# Altium PCB smallLCboard.PcbDoc (part 3 of 4) (continued)
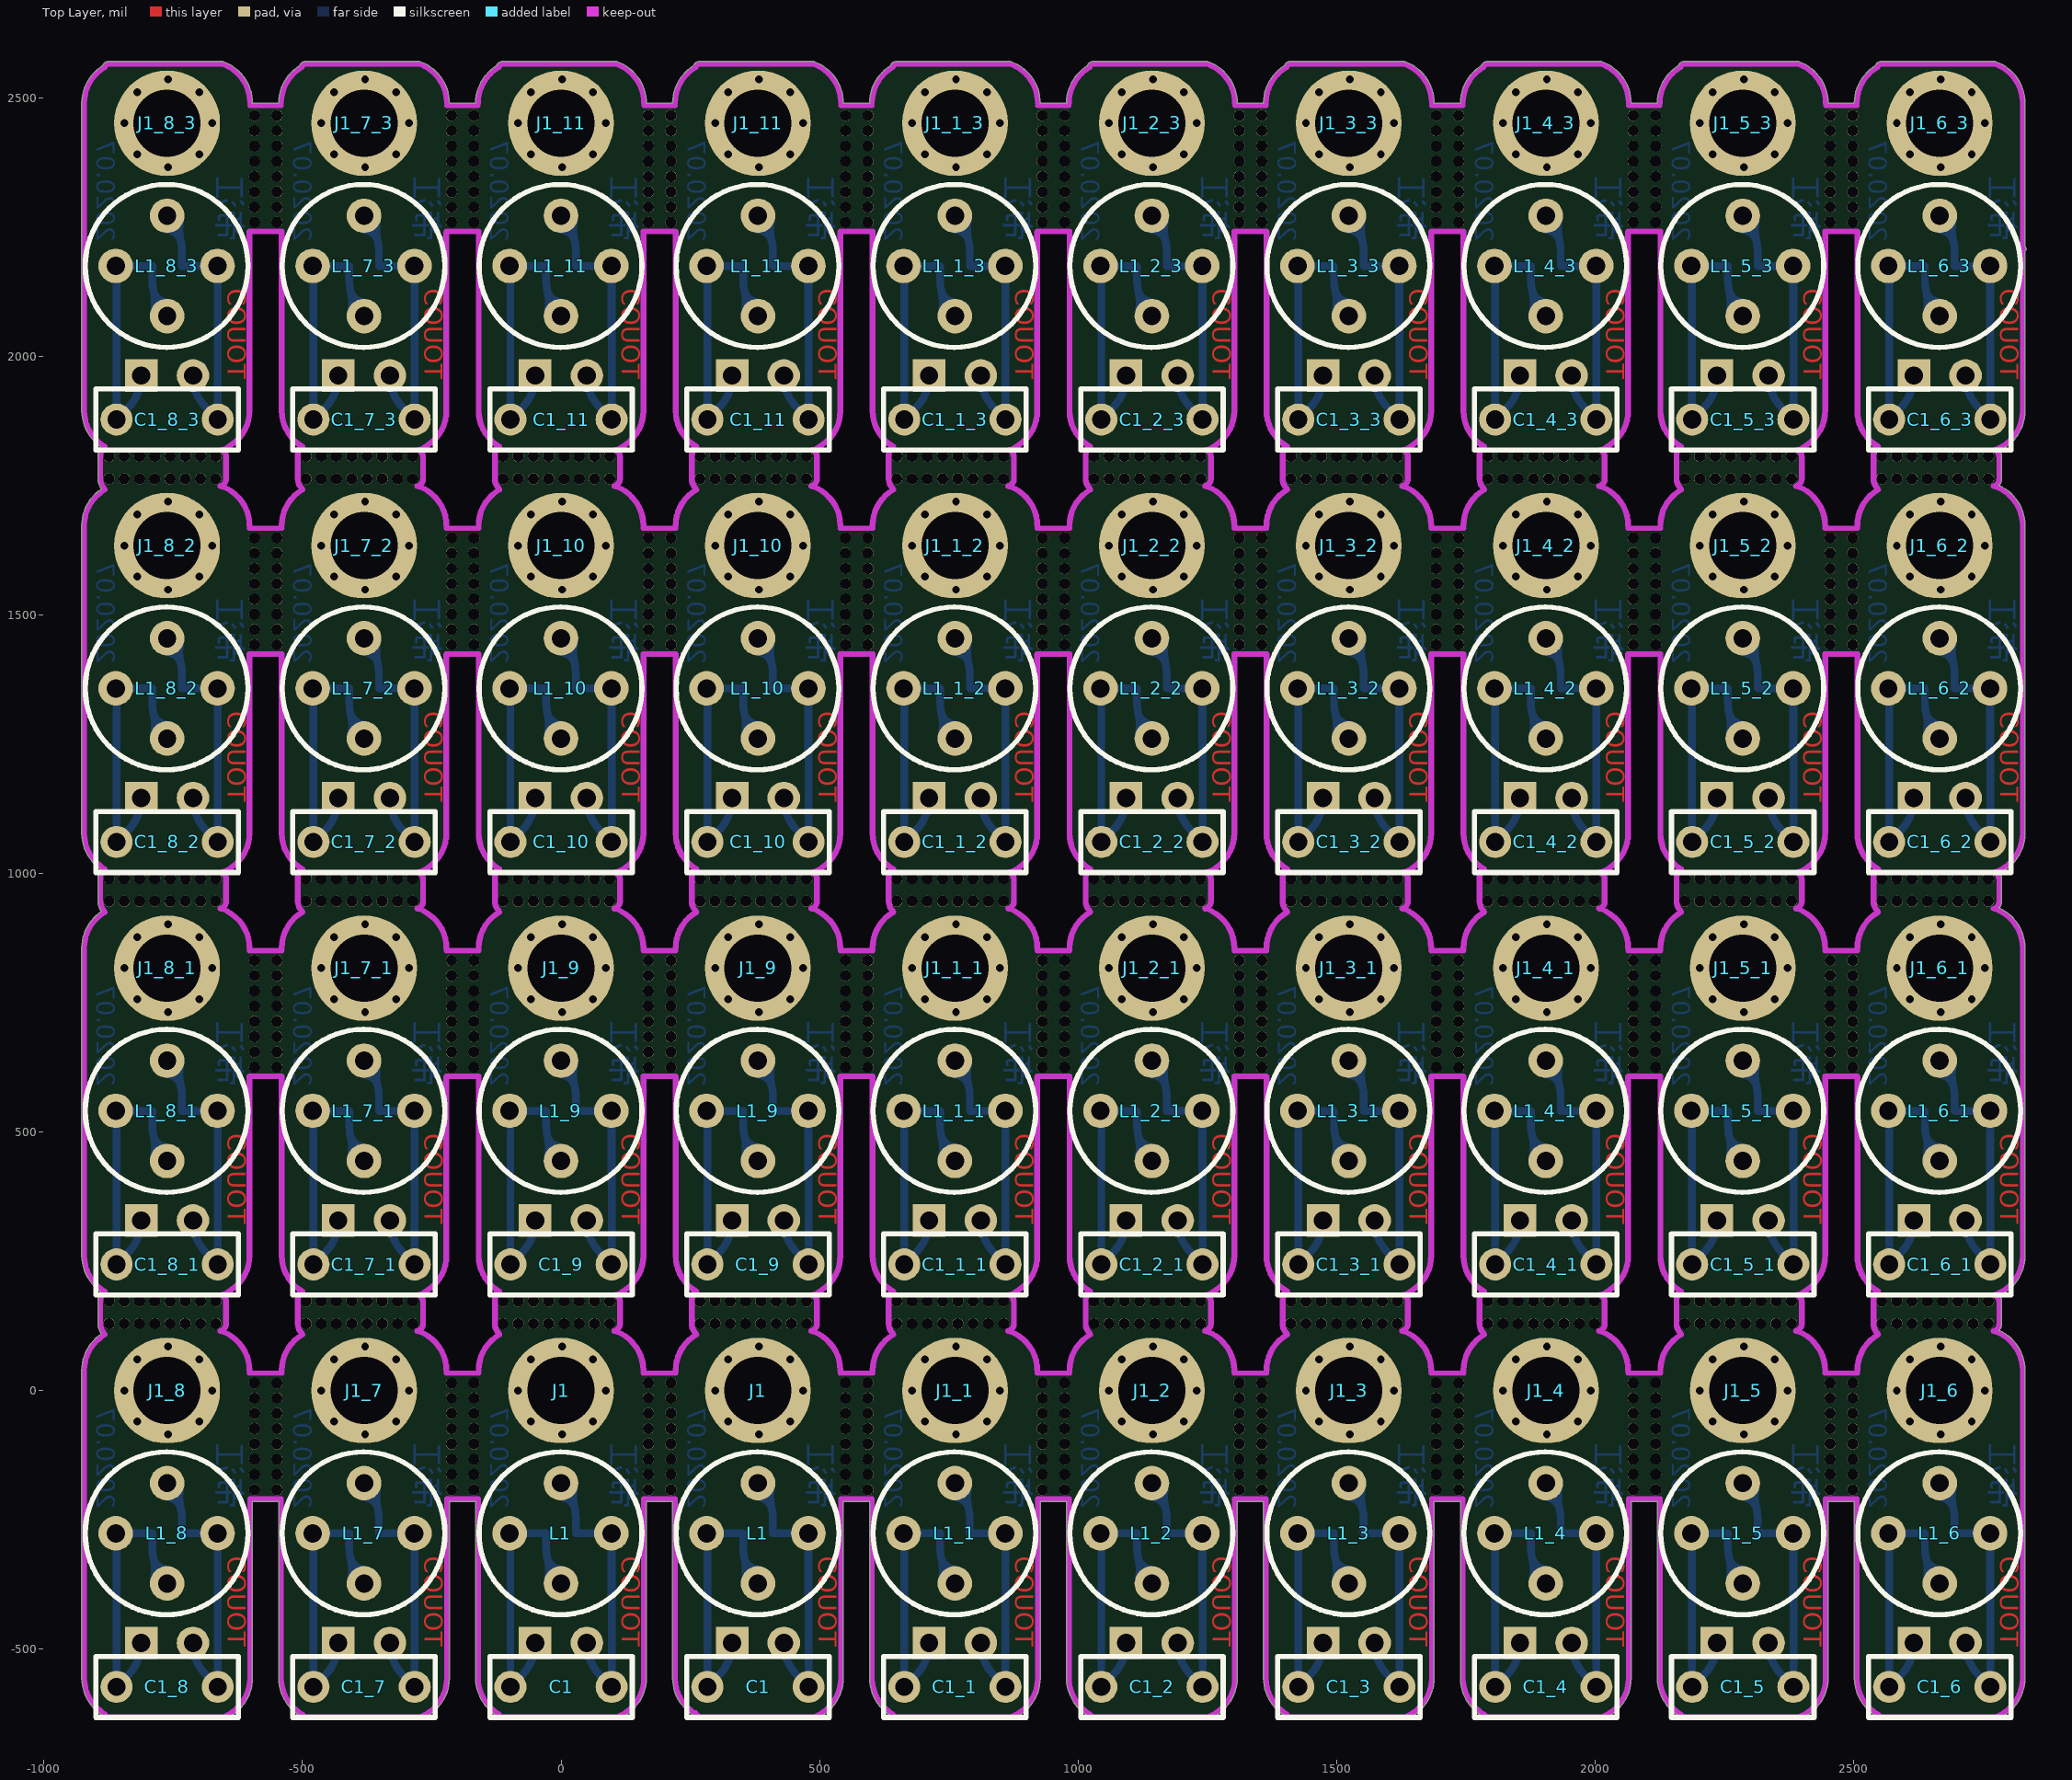
[diagram p0: Top Layer view]
## Keep-outs
Keep-Out Layer:
  lines w10: -922,-270 -922,39 cw(c-842,39) -882,108.28 ; -922,-209.5 -922,-556 ccw(c-842,-556) -882,-625.28 ccw(c-876.11,-625.28) -876.11,-631.18 -654.64,-631.18 ccw(c-682,-556) -602,-556 -602,-209.5 ; -922,519 -922,856 cw(c-842,856) -882,925.28 ; -922,607.5 -922,261 ccw(c-842,261) -882,191.72 ; -922,1247 -922,1673 cw(c-842,1673) -882,1742.28 ; -922,1424.5 -922,1078 ccw(c-842,1078) -882,1008.72 ; -922,2163 -922,2490 cw(c-842,2490) -882,2559.28 cw(c-876.11,2559.28) -876.11,2565.18 -654.64,2565.18 cw(c-682,2490) -602,2490 ; -922,2241.5 -922,1895 ccw(c-842,1895) -882,1825.72 ; -890.7,129.68 -890.7,177.05 cw(c-868.85,177.05) -884.3,192.5 ; -890.7,946.68 -890.7,994.05 cw(c-868.85,994.05) -884.3,1009.5 ; -890.7,1763.68 -890.7,1811.05 cw(c-868.85,1811.05) -884.3,1826.5 ; -884.3,191.5 ccw(c-868.85,176.05) -890.7,176.05 -890.7,128.68 ccw(c-866.12,128.68) -883.5,111.3 ; -884.3,1008.5 ccw(c-868.85,993.05) -890.7,993.05 -890.7,945.68 ccw(c-866.12,945.68) -883.5,928.3 ; -884.3,1825.5 ccw(c-868.85,1810.05) -890.7,1810.05 -890.7,1762.68 ccw(c-866.12,1762.68) -883.5,1745.3 ; -658.3,115.1 ccw(c-658.3,121.38) -653.86,116.94 -650.98,119.82 ccw(c-659.86,128.7) -647.3,128.7 -647.3,171.1 ccw(c-663.23,171.1) -651.97,182.37 ; -658.3,932.1 ccw(c-658.3,938.38) -653.86,933.94 -650.98,936.82 ccw(c-659.86,945.7) -647.3,945.7 -647.3,988.1 ccw(c-663.23,988.1) -651.97,999.37 ; -658.3,1749.1 ccw(c-658.3,1755.38) -653.86,1750.94 -650.98,1753.82 ccw(c-659.86,1762.7) -647.3,1762.7 -647.3,1805.1 ccw(c-663.23,1805.1) -651.97,1816.37 ; -654.64,114.18 cw(c-682,39) -602,39 ; -654.64,185.82 ccw(c-682,261) -602,261 -602,607.5 ; -654.64,931.18 cw(c-682,856) -602,856 ; -654.64,1002.82 ccw(c-682,1078) -602,1078 -602,1424.5 ; -654.64,1748.18 cw(c-682,1673) -602,1673 ; -654.64,1819.82 ccw(c-682,1895) -602,1895 -602,2241.5 ; -651.97,183.37 cw(c-663.23,172.1) -647.3,172.1 -647.3,129.7 ; -651.97,1000.37 cw(c-663.23,989.1) -647.3,989.1 -647.3,946.7 ; -651.97,1817.37 cw(c-663.23,1806.1) -647.3,1806.1 -647.3,1763.7 ; -541,-209.5 -541,-556 ccw(c-461,-556) -501,-625.28 -495.11,-631.18 -273.64,-631.18 ccw(c-301,-556) -221,-556 -221,-209.5 ; -541,39 cw(c-461,39) -501,108.28 ; -541,607.5 -541,261 ccw(c-461,261) -501,191.72 ; -541,856 cw(c-461,856) -501,925.28 ; -541,1424.5 -541,1078 ccw(c-461,1078) -501,1008.72 ; -541,1673 cw(c-461,1673) -501,1742.28 ; -541,2241.5 -541,1895 ccw(c-461,1895) -501,1825.72 ; -541,2490 cw(c-461,2490) -501,2559.28 cw(c-495.11,2559.28) -495.11,2565.18 -273.64,2565.18 cw(c-301,2490) -221,2490 ; -509.7,129.68 -509.7,177.05 cw(c-487.85,177.05) -503.3,192.5 ; -509.7,946.68 -509.7,994.05 cw(c-487.85,994.05) -503.3,1009.5 ; -509.7,1763.68 -509.7,1811.05 cw(c-487.85,1811.05) -503.3,1826.5 ; -503.3,191.5 ccw(c-487.85,176.05) -509.7,176.05 -509.7,128.68 ccw(c-485.12,128.68) -502.5,111.3 ; -503.3,1008.5 ccw(c-487.85,993.05) -509.7,993.05 -509.7,945.68 ccw(c-485.12,945.68) -502.5,928.3 ; -503.3,1825.5 ccw(c-487.85,1810.05) -509.7,1810.05 -509.7,1762.68 ccw(c-485.12,1762.68) -502.5,1745.3 ; -277.3,115.1 ccw(c-277.3,121.38) -272.86,116.94 -269.98,119.82 ccw(c-278.86,128.7) -266.3,128.7 -266.3,171.1 ccw(c-282.23,171.1) -270.97,182.37 ; -277.3,932.1 ccw(c-277.3,938.38) -272.86,933.94 -269.98,936.82 ccw(c-278.86,945.7) -266.3,945.7 -266.3,988.1 ccw(c-282.23,988.1) -270.97,999.37 ; -277.3,1749.1 ccw(c-277.3,1755.38) -272.86,1750.94 -269.98,1753.82 ccw(c-278.86,1762.7) -266.3,1762.7 -266.3,1805.1 ccw(c-282.23,1805.1) -270.97,1816.37 ; -273.64,114.18 cw(c-301,39) -221,39 ; -273.64,185.82 ccw(c-301,261) -221,261 -221,607.5 ; -273.64,931.18 cw(c-301,856) -221,856 ; -273.64,1002.82 ccw(c-301,1078) -221,1078 -221,1424.5 ; -273.64,1748.18 cw(c-301,1673) -221,1673 ; -273.64,1819.82 ccw(c-301,1895) -221,1895 -221,2241.5 ; -270.97,183.37 cw(c-282.23,172.1) -266.3,172.1 -266.3,129.7 ; -270.97,1000.37 cw(c-282.23,989.1) -266.3,989.1 -266.3,946.7 ; -270.97,1817.37 cw(c-282.23,1806.1) -266.3,1806.1 -266.3,1763.7 ; -160,-209.5 -160,-556 ccw(c-80,-556) -120,-625.28 ccw(c-114.11,-625.28) -114.11,-631.18 107.36,-631.18 ccw(c80,-556) 160,-556 160,-209.5 ; -160,39 cw(c-80,39) -120,108.28 ; -160,607.5 -160,261 ccw(c-80,261) -120,191.72 ; -160,856 cw(c-80,856) -120,925.28 ; -160,1424.5 -160,1078 ccw(c-80,1078) -120,1008.72 ; -160,1673 cw(c-80,1673) -120,1742.28 ; -160,2241.5 -160,1895 ccw(c-80,1895) -120,1825.72 ; -160,2490 cw(c-80,2490) -120,2559.28 cw(c-114.11,2559.28) -114.11,2565.18 107.36,2565.18 cw(c80,2490) 160,2490 ; -128.7,129.68 -128.7,177.05 cw(c-106.85,177.05) -122.3,192.5 ; -128.7,946.68 -128.7,994.05 cw(c-106.85,994.05) -122.3,1009.5 ; -128.7,1763.68 -128.7,1811.05 cw(c-106.85,1811.05) -122.3,1826.5 ; -122.3,191.5 ccw(c-106.85,176.05) -128.7,176.05 -128.7,128.68 ccw(c-104.12,128.68) -121.5,111.3 ; -122.3,1008.5 ccw(c-106.85,993.05) -128.7,993.05 -128.7,945.68 ccw(c-104.12,945.68) -121.5,928.3 ; -122.3,1825.5 ccw(c-106.85,1810.05) -128.7,1810.05 -128.7,1762.68 ccw(c-104.12,1762.68) -121.5,1745.3 ; 103.7,115.1 ccw(c103.7,121.38) 108.14,116.94 111.02,119.82 ccw(c102.14,128.7) 114.7,128.7 114.7,171.1 ccw(c98.77,171.1) 110.03,182.37 ; 103.7,932.1 ccw(c103.7,938.38) 108.14,933.94 111.02,936.82 ccw(c102.14,945.7) 114.7,945.7 114.7,988.1 ccw(c98.77,988.1) 110.03,999.37 ; 103.7,1749.1 ccw(c103.7,1755.38) 108.14,1750.94 111.02,1753.82 ccw(c102.14,1762.7) 114.7,1762.7 114.7,1805.1 ccw(c98.77,1805.1) 110.03,1816.37 ; 107.36,114.18 cw(c80,39) 160,39 ; 107.36,185.82 ccw(c80,261) 160,261 160,607.5 ; 107.36,931.18 cw(c80,856) 160,856 ; 107.36,1002.82 ccw(c80,1078) 160,1078 160,1424.5 ; 107.36,1748.18 cw(c80,1673) 160,1673 ; 107.36,1819.82 ccw(c80,1895) 160,1895 160,2241.5 ; 110.03,183.37 cw(c98.77,172.1) 114.7,172.1 114.7,129.7 ; 110.03,1000.37 cw(c98.77,989.1) 114.7,989.1 114.7,946.7 ; 110.03,1817.37 cw(c98.77,1806.1) 114.7,1806.1 114.7,1763.7 ; 221,-209.5 221,-556 ccw(c301,-556) 261,-625.28 ; 221,39 cw(c301,39) 261,108.28 ; 221,607.5 221,261 ccw(c301,261) 261,191.72 ; 221,856 cw(c301,856) 261,925.28 ; 221,1424.5 221,1078 ccw(c301,1078) 261,1008.72 ; 221,1673 cw(c301,1673) 261,1742.28 ; 221,2241.5 221,1895 ccw(c301,1895) 261,1825.72 ; 221,2490 cw(c301,2490) 261,2559.28 cw(c266.89,2559.28) 266.89,2565.18 488.36,2565.18 cw(c461,2490) 541,2490 ; 252.3,129.68 252.3,177.05 cw(c274.15,177.05) 258.7,192.5 ; 252.3,946.68 252.3,994.05 cw(c274.15,994.05) 258.7,1009.5 ; 252.3,1763.68 252.3,1811.05 cw(c274.15,1811.05) 258.7,1826.5 ; 258.7,191.5 ccw(c274.15,176.05) 252.3,176.05 252.3,128.68 ccw(c276.88,128.68) 259.5,111.3 ; 258.7,1008.5 ccw(c274.15,993.05) 252.3,993.05 252.3,945.68 ccw(c276.88,945.68) 259.5,928.3 ; 258.7,1825.5 ccw(c274.15,1810.05) 252.3,1810.05 252.3,1762.68 ccw(c276.88,1762.68) 259.5,1745.3 ; 260,-623 268.18,-631.18 488.36,-631.18 ccw(c461,-556) 541,-556 541,-209.5 ; 484.7,115.1 ccw(c484.7,121.38) 489.14,116.94 492.02,119.82 ccw(c483.14,128.7) 495.7,128.7 495.7,171.1 ccw(c479.77,171.1) 491.03,182.37 ; 484.7,932.1 ccw(c484.7,938.38) 489.14,933.94 492.02,936.82 ccw(c483.14,945.7) 495.7,945.7 495.7,988.1 ccw(c479.77,988.1) 491.03,999.37 ; 484.7,1749.1 ccw(c484.7,1755.38) 489.14,1750.94 492.02,1753.82 ccw(c483.14,1762.7) 495.7,1762.7 495.7,1805.1 ccw(c479.77,1805.1) 491.03,1816.37 ; 488.36,114.18 cw(c461,39) 541,39 ; 488.36,185.82 ccw(c461,261) 541,261 541,607.5 ; 488.36,931.18 cw(c461,856) 541,856 ; 488.36,1002.82 ccw(c461,1078) 541,1078 541,1424.5 ; 488.36,1748.18 cw(c461,1673) 541,1673 ; 488.36,1819.82 ccw(c461,1895) 541,1895 541,2241.5 ; 491.03,183.37 cw(c479.77,172.1) 495.7,172.1 495.7,129.7 ; 491.03,1000.37 cw(c479.77,989.1) 495.7,989.1 495.7,946.7 ; 491.03,1817.37 cw(c479.77,1806.1) 495.7,1806.1 495.7,1763.7 ; 602,-209.5 602,-556 ccw(c682,-556) 642,-625.28 ccw(c647.89,-625.28) 647.89,-631.18 869.36,-631.18 ccw(c842,-556) 922,-556 922,-209.5 ; 602,39 cw(c682,39) 642,108.28 ; 602,607.5 602,261 ccw(c682,261) 642,191.72 ; 602,856 cw(c682,856) 642,925.28 ; 602,1424.5 602,1078 ccw(c682,1078) 642,1008.72 ; 602,1673 cw(c682,1673) 642,1742.28 ; 602,2241.5 602,1895 ccw(c682,1895) 642,1825.72 ; 602,2490 cw(c682,2490) 642,2559.28 cw(c647.89,2559.28) 647.89,2565.18 869.36,2565.18 cw(c842,2490) 922,2490 ; 633.3,129.68 633.3,177.05 cw(c655.15,177.05) 639.7,192.5 ; 633.3,946.68 633.3,994.05 cw(c655.15,994.05) 639.7,1009.5 ; 633.3,1763.68 633.3,1811.05 cw(c655.15,1811.05) 639.7,1826.5 ; 639.7,191.5 ccw(c655.15,176.05) 633.3,176.05 633.3,128.68 ccw(c657.88,128.68) 640.5,111.3 ; 639.7,1008.5 ccw(c655.15,993.05) 633.3,993.05 633.3,945.68 ccw(c657.88,945.68) 640.5,928.3 ; 639.7,1825.5 ccw(c655.15,1810.05) 633.3,1810.05 633.3,1762.68 ccw(c657.88,1762.68) 640.5,1745.3 ; 865.7,115.1 ccw(c865.7,121.38) 870.14,116.94 873.02,119.82 ccw(c864.14,128.7) 876.7,128.7 876.7,171.1 ccw(c860.77,171.1) 872.03,182.37 ; 865.7,932.1 ccw(c865.7,938.38) 870.14,933.94 873.02,936.82 ccw(c864.14,945.7) 876.7,945.7 876.7,988.1 ccw(c860.77,988.1) 872.03,999.37 ; 865.7,1749.1 ccw(c865.7,1755.38) 870.14,1750.94 873.02,1753.82 ccw(c864.14,1762.7) 876.7,1762.7 876.7,1805.1 ccw(c860.77,1805.1) 872.03,1816.37 ; 869.36,114.18 cw(c842,39) 922,39 ; 869.36,185.82 ccw(c842,261) 922,261 922,607.5 ; 869.36,931.18 cw(c842,856) 922,856 ; 869.36,1002.82 ccw(c842,1078) 922,1078 922,1424.5 ; 869.36,1748.18 cw(c842,1673) 922,1673 ; 869.36,1819.82 ccw(c842,1895) 922,1895 922,2241.5 ; 872.03,183.37 cw(c860.77,172.1) 876.7,172.1 876.7,129.7 ; 872.03,1000.37 cw(c860.77,989.1) 876.7,989.1 876.7,946.7 ; 872.03,1817.37 cw(c860.77,1806.1) 876.7,1806.1 876.7,1763.7 ; 983,-209.5 983,-556 ccw(c1063,-556) 1023,-625.28 1028.89,-631.18 1250.36,-631.18 ccw(c1223,-556) 1303,-556 1303,-209.5 ; 983,39 cw(c1063,39) 1023,108.28 ; 983,607.5 983,261 ccw(c1063,261) 1023,191.72 ; 983,856 cw(c1063,856) 1023,925.28 ; 983,1424.5 983,1078 ccw(c1063,1078) 1023,1008.72 ; 983,1673 cw(c1063,1673) 1023,1742.28 ; 983,2241.5 983,1895 ccw(c1063,1895) 1023,1825.72 ; 983,2490 cw(c1063,2490) 1023,2559.28 cw(c1028.89,2559.28) 1028.89,2565.18 1250.36,2565.18 cw(c1223,2490) 1303,2490 ; 1014.3,129.68 1014.3,177.05 cw(c1036.15,177.05) 1020.7,192.5 ; 1014.3,946.68 1014.3,994.05 cw(c1036.15,994.05) 1020.7,1009.5 ; 1014.3,1763.68 1014.3,1811.05 cw(c1036.15,1811.05) 1020.7,1826.5 ; 1020.7,191.5 ccw(c1036.15,176.05) 1014.3,176.05 1014.3,128.68 ccw(c1038.88,128.68) 1021.5,111.3 ; 1020.7,1008.5 ccw(c1036.15,993.05) 1014.3,993.05 1014.3,945.68 ccw(c1038.88,945.68) 1021.5,928.3 ; 1020.7,1825.5 ccw(c1036.15,1810.05) 1014.3,1810.05 1014.3,1762.68 ccw(c1038.88,1762.68) 1021.5,1745.3 ; 1246.7,115.1 ccw(c1246.7,121.38) 1251.14,116.94 1254.02,119.82 ccw(c1245.14,128.7) 1257.7,128.7 1257.7,171.1 ccw(c1241.77,171.1) 1253.03,182.37 ; 1246.7,932.1 ccw(c1246.7,938.38) 1251.14,933.94 1254.02,936.82 ccw(c1245.14,945.7) 1257.7,945.7 1257.7,988.1 ccw(c1241.77,988.1) 1253.03,999.37 ; 1246.7,1749.1 ccw(c1246.7,1755.38) 1251.14,1750.94 1254.02,1753.82 ccw(c1245.14,1762.7) 1257.7,1762.7 1257.7,1805.1 ccw(c1241.77,1805.1) 1253.03,1816.37 ; 1250.36,114.18 cw(c1223,39) 1303,39 ; 1250.36,185.82 ccw(c1223,261) 1303,261 1303,607.5 ; 1250.36,931.18 cw(c1223,856) 1303,856 ; 1250.36,1002.82 ccw(c1223,1078) 1303,1078 1303,1424.5 ; 1250.36,1748.18 cw(c1223,1673) 1303,1673 ; 1250.36,1819.82 ccw(c1223,1895) 1303,1895 1303,2241.5 ; 1253.03,183.37 cw(c1241.77,172.1) 1257.7,172.1 1257.7,129.7 ; 1253.03,1000.37 cw(c1241.77,989.1) 1257.7,989.1 1257.7,946.7 ; 1253.03,1817.37 cw(c1241.77,1806.1) 1257.7,1806.1 1257.7,1763.7 ; 1364,-209.5 1364,-556 ccw(c1444,-556) 1404,-625.28 ccw(c1409.89,-625.28) 1409.89,-631.18 1631.36,-631.18 ccw(c1604,-556) 1684,-556 1684,-209.5 ; 1364,39 cw(c1444,39) 1404,108.28 ; 1364,607.5 1364,261 ccw(c1444,261) 1404,191.72 ; 1364,856 cw(c1444,856) 1404,925.28 ; 1364,1424.5 1364,1078 ccw(c1444,1078) 1404,1008.72 ; 1364,1673 cw(c1444,1673) 1404,1742.28 ; 1364,2241.5 1364,1895 ccw(c1444,1895) 1404,1825.72 ; 1364,2490 cw(c1444,2490) 1404,2559.28 cw(c1409.89,2559.28) 1409.89,2565.18 1631.36,2565.18 cw(c1604,2490) 1684,2490 ; 1395.3,129.68 1395.3,177.05 cw(c1417.15,177.05) 1401.7,192.5 ; 1395.3,946.68 1395.3,994.05 cw(c1417.15,994.05) 1401.7,1009.5 ; 1395.3,1763.68 1395.3,1811.05 cw(c1417.15,1811.05) 1401.7,1826.5 ; 1401.7,191.5 ccw(c1417.15,176.05) 1395.3,176.05 1395.3,128.68 ccw(c1419.88,128.68) 1402.5,111.3 ; 1401.7,1008.5 ccw(c1417.15,993.05) 1395.3,993.05 1395.3,945.68 ccw(c1419.88,945.68) 1402.5,928.3 ; 1401.7,1825.5 ccw(c1417.15,1810.05) 1395.3,1810.05 1395.3,1762.68 ccw(c1419.88,1762.68) 1402.5,1745.3 ; 1627.7,115.1 ccw(c1627.7,121.38) 1632.14,116.94 1635.02,119.82 ccw(c1626.14,128.7) 1638.7,128.7 1638.7,171.1 ccw(c1622.77,171.1) 1634.03,182.37 ; 1627.7,932.1 ccw(c1627.7,938.38) 1632.14,933.94 1635.02,936.82 ccw(c1626.14,945.7) 1638.7,945.7 1638.7,988.1 ccw(c1622.77,988.1) 1634.03,999.37 ; 1627.7,1749.1 ccw(c1627.7,1755.38) 1632.14,1750.94 1635.02,1753.82 ccw(c1626.14,1762.7) 1638.7,1762.7 1638.7,1805.1 ccw(c1622.77,1805.1) 1634.03,1816.37 ; 1631.36,114.18 cw(c1604,39) 1684,39 ; 1631.36,185.82 ccw(c1604,261) 1684,261 1684,607.5 ; 1631.36,931.18 cw(c1604,856) 1684,856 ; 1631.36,1002.82 ccw(c1604,1078) 1684,1078 1684,1424.5 ; 1631.36,1748.18 cw(c1604,1673) 1684,1673 ; 1631.36,1819.82 ccw(c1604,1895) 1684,1895 1684,2241.5 ; 1634.03,183.37 cw(c1622.77,172.1) 1638.7,172.1 1638.7,129.7 ; 1634.03,1000.37 cw(c1622.77,989.1) 1638.7,989.1 1638.7,946.7 ; 1634.03,1817.37 cw(c1622.77,1806.1) 1638.7,1806.1 1638.7,1763.7 ; 1745,-209.5 1745,-556 ccw(c1825,-556) 1785,-625.28 1790.89,-631.18 2012.36,-631.18 ccw(c1985,-556) 2065,-556 2065,-209.5 ; 1745,39 cw(c1825,39) 1785,108.28 ; 1745,607.5 1745,261 ccw(c1825,261) 1785,191.72 ; 1745,856 cw(c1825,856) 1785,925.28 ; 1745,1424.5 1745,1078 ccw(c1825,1078) 1785,1008.72 ; 1745,1673 cw(c1825,1673) 1785,1742.28 ; 1745,2241.5 1745,1895 ccw(c1825,1895) 1785,1825.72 ; 1745,2490 cw(c1825,2490) 1785,2559.28 cw(c1790.89,2559.28) 1790.89,2565.18 2012.36,2565.18 cw(c1985,2490) 2065,2490 ; 1776.3,129.68 1776.3,177.05 cw(c1798.15,177.05) 1782.7,192.5 ; 1776.3,946.68 1776.3,994.05 cw(c1798.15,994.05) 1782.7,1009.5 ; 1776.3,1763.68 1776.3,1811.05 cw(c1798.15,1811.05) 1782.7,1826.5 ; 1782.7,191.5 ccw(c1798.15,176.05) 1776.3,176.05 1776.3,128.68 ccw(c1800.88,128.68) 1783.5,111.3 ; 1782.7,1008.5 ccw(c1798.15,993.05) 1776.3,993.05 1776.3,945.68 ccw(c1800.88,945.68) 1783.5,928.3 ; 1782.7,1825.5 ccw(c1798.15,1810.05) 1776.3,1810.05 1776.3,1762.68 ccw(c1800.88,1762.68) 1783.5,1745.3 ; 2008.7,115.1 ccw(c2008.7,121.38) 2013.14,116.94 2016.02,119.82 ccw(c2007.14,128.7) 2019.7,128.7 2019.7,171.1 ccw(c2003.77,171.1) 2015.03,182.37 ; 2008.7,932.1 ccw(c2008.7,938.38) 2013.14,933.94 2016.02,936.82 ccw(c2007.14,945.7) 2019.7,945.7 2019.7,988.1 ccw(c2003.77,988.1) 2015.03,999.37 ; 2008.7,1749.1 ccw(c2008.7,1755.38) 2013.14,1750.94 2016.02,1753.82 ccw(c2007.14,1762.7) 2019.7,1762.7 2019.7,1805.1 ccw(c2003.77,1805.1) 2015.03,1816.37 ; 2012.36,114.18 cw(c1985,39) 2065,39 ; 2012.36,185.82 ccw(c1985,261) 2065,261 2065,607.5 ; 2012.36,931.18 cw(c1985,856) 2065,856 ; 2012.36,1002.82 ccw(c1985,1078) 2065,1078 2065,1424.5 ; 2012.36,1748.18 cw(c1985,1673) 2065,1673 ; 2012.36,1819.82 ccw(c1985,1895) 2065,1895 2065,2241.5 ; 2015.03,183.37 cw(c2003.77,172.1) 2019.7,172.1 2019.7,129.7 ; 2015.03,1000.37 cw(c2003.77,989.1) 2019.7,989.1 2019.7,946.7 ; 2015.03,1817.37 cw(c2003.77,1806.1) 2019.7,1806.1 2019.7,1763.7 ; 2126,-209.5 2126,-556 ccw(c2206,-556) 2166,-625.28 ; 2126,39 cw(c2206,39) 2166,108.28 ; 2126,607.5 2126,261 ccw(c2206,261) 2166,191.72 ; 2126,856 cw(c2206,856) 2166,925.28 ; 2126,1424.5 2126,1078 ccw(c2206,1078) 2166,1008.72 ; 2126,1673 cw(c2206,1673) 2166,1742.28 ; 2126,2241.5 2126,1895 ccw(c2206,1895) 2166,1825.72 ; 2126,2490 cw(c2206,2490) 2166,2559.28 cw(c2171.89,2559.28) 2171.89,2565.18 2393.36,2565.18 cw(c2366,2490) 2446,2490 ; 2157.3,129.68 2157.3,177.05 cw(c2179.15,177.05) 2163.7,192.5 ; 2157.3,946.68 2157.3,994.05 cw(c2179.15,994.05) 2163.7,1009.5 ; 2157.3,1763.68 2157.3,1811.05 cw(c2179.15,1811.05) 2163.7,1826.5 ; 2163.7,191.5 ccw(c2179.15,176.05) 2157.3,176.05 2157.3,128.68 ccw(c2181.88,128.68) 2164.5,111.3 ; 2163.7,1008.5 ccw(c2179.15,993.05) 2157.3,993.05 2157.3,945.68 ccw(c2181.88,945.68) 2164.5,928.3 ; 2163.7,1825.5 ccw(c2179.15,1810.05) 2157.3,1810.05 2157.3,1762.68 ccw(c2181.88,1762.68) 2164.5,1745.3 ; 2389.7,115.1 ccw(c2389.7,121.38) 2394.14,116.94 2397.02,119.82 ccw(c2388.14,128.7) 2400.7,128.7 2400.7,171.1 ccw(c2384.77,171.1) 2396.03,182.37 ; 2389.7,932.1 ccw(c2389.7,938.38) 2394.14,933.94 2397.02,936.82 ccw(c2388.14,945.7) 2400.7,945.7 2400.7,988.1 ccw(c2384.77,988.1) 2396.03,999.37 ; 2389.7,1749.1 ccw(c2389.7,1755.38) 2394.14,1750.94 2397.02,1753.82 ccw(c2388.14,1762.7) 2400.7,1762.7 2400.7,1805.1 ccw(c2384.77,1805.1) 2396.03,1816.37 ; 2393.36,114.18 cw(c2366,39) 2446,39 ; 2393.36,185.82 ccw(c2366,261) 2446,261 2446,607.5 ; 2393.36,931.18 cw(c2366,856) 2446,856 ; 2393.36,1002.82 ccw(c2366,1078) 2446,1078 2446,1424.5 ; 2393.36,1748.18 cw(c2366,1673) 2446,1673 ; 2393.36,1819.82 ccw(c2366,1895) 2446,1895 2446,2241.5 ; 2396.03,183.37 cw(c2384.77,172.1) 2400.7,172.1 2400.7,129.7 ; 2396.03,1000.37 cw(c2384.77,989.1) 2400.7,989.1 2400.7,946.7 ; 2396.03,1817.37 cw(c2384.77,1806.1) 2400.7,1806.1 2400.7,1763.7 ; 2446,-209.5 2446,-556 cw(c2366,-556) 2393.36,-631.18 2171.89,-631.18 ; 2507,-209.5 2507,-556 ccw(c2587,-556) 2547,-625.28 2552.89,-631.18 2774.36,-631.18 ccw(c2747,-556) 2827,-556 2827,-209.5 ; 2507,39 cw(c2587,39) 2547,108.28 ; 2507,607.5 2507,261 ccw(c2587,261) 2547,191.72 ; 2507,856 cw(c2587,856) 2547,925.28 ; 2507,1424.5 2507,1078 ccw(c2587,1078) 2547,1008.72 ; 2507,1673 cw(c2587,1673) 2547,1742.28 ; 2507,2241.5 2507,1895 ccw(c2587,1895) 2547,1825.72 ; 2507,2490 cw(c2587,2490) 2547,2559.28 cw(c2552.89,2559.28) 2552.89,2565.18 2774.36,2565.18 cw(c2747,2490) 2827,2490 2827,2210 ccw(c2829,2210) 2829,2208 ; 2538.3,129.68 2538.3,177.05 cw(c2560.15,177.05) 2544.7,192.5 ; 2538.3,946.68 2538.3,994.05 cw(c2560.15,994.05) 2544.7,1009.5 ; 2538.3,1763.68 2538.3,1811.05 cw(c2560.15,1811.05) 2544.7,1826.5 ; 2544.7,191.5 ccw(c2560.15,176.05) 2538.3,176.05 2538.3,128.68 ccw(c2562.88,128.68) 2545.5,111.3 ; 2544.7,1008.5 ccw(c2560.15,993.05) 2538.3,993.05 2538.3,945.68 ccw(c2562.88,945.68) 2545.5,928.3 ; 2544.7,1825.5 ccw(c2560.15,1810.05) 2538.3,1810.05 2538.3,1762.68 ccw(c2562.88,1762.68) 2545.5,1745.3 ; 2770.7,115.1 ccw(c2770.7,121.38) 2775.14,116.94 2778.02,119.82 ccw(c2769.14,128.7) 2781.7,128.7 2781.7,171.1 ccw(c2765.77,171.1) 2777.03,182.37 ; 2770.7,932.1 ccw(c2770.7,938.38) 2775.14,933.94 2778.02,936.82 ccw(c2769.14,945.7) 2781.7,945.7 2781.7,988.1 ccw(c2765.77,988.1) 2777.03,999.37 ; 2770.7,1749.1 ccw(c2770.7,1755.38) 2775.14,1750.94 2778.02,1753.82 ccw(c2769.14,1762.7) 2781.7,1762.7 2781.7,1805.1 ccw(c2765.77,1805.1) 2777.03,1816.37 ; 2774.36,114.18 cw(c2747,39) 2827,39 2827,-299 ; 2774.36,185.82 ccw(c2747,261) 2827,261 2827,607.5 ; 2774.36,931.18 cw(c2747,856) 2827,856 2827,557 ; 2774.36,1002.82 ccw(c2747,1078) 2827,1078 2827,1424.5 ; 2774.36,1748.18 cw(c2747,1673) 2827,1673 2827,1330 ; 2774.36,1819.82 ccw(c2747,1895) 2827,1895 2827,2241.5 ; 2777.03,183.37 cw(c2765.77,172.1) 2781.7,172.1 2781.7,129.7 ; 2777.03,1000.37 cw(c2765.77,989.1) 2781.7,989.1 2781.7,946.7 ; 2777.03,1817.37 cw(c2765.77,1806.1) 2781.7,1806.1 2781.7,1763.7 ; 2166,-625.28 ccw(c2171.89,-625.28) 2171.89,-631.18 ; 2166,-625.28 2171.89,-631.18 ; -601.7,33.9 -541.3,33.9 -601.7,33.9 ; -601.7,850.9 -541.3,850.9 -601.7,850.9 ; -601.7,1667.9 -541.3,1667.9 -601.7,1667.9 ; -601.7,2484.9 -541.3,2484.9 -601.7,2484.9 ; -599.9,-209.5 -542.1,-209.5 -599.9,-209.5 ; -599.9,607.5 -542.1,607.5 -599.9,607.5 ; -599.9,1424.5 -542.1,1424.5 -599.9,1424.5 ; -599.9,2241.5 -542.1,2241.5 -599.9,2241.5 ; -220.7,33.9 -160.3,33.9 -220.7,33.9 ; -220.7,850.9 -160.3,850.9 -220.7,850.9 ; -220.7,1667.9 -160.3,1667.9 -220.7,1667.9 ; -220.7,2484.9 -160.3,2484.9 -220.7,2484.9 ; -218.9,-209.5 -161.1,-209.5 -218.9,-209.5 ; -218.9,607.5 -161.1,607.5 -218.9,607.5 ; -218.9,1424.5 -161.1,1424.5 -218.9,1424.5 ; -218.9,2241.5 -161.1,2241.5 -218.9,2241.5 ; 160.3,33.9 220.7,33.9 160.3,33.9 ; 160.3,850.9 220.7,850.9 160.3,850.9 ; 160.3,1667.9 220.7,1667.9 160.3,1667.9 ; 160.3,2484.9 220.7,2484.9 160.3,2484.9 ; 162.1,-209.5 219.9,-209.5 162.1,-209.5 ; 162.1,607.5 219.9,607.5 162.1,607.5 ; 162.1,1424.5 219.9,1424.5 162.1,1424.5 ; 162.1,2241.5 219.9,2241.5 162.1,2241.5 ; 541.3,33.9 601.7,33.9 541.3,33.9 ; 541.3,850.9 601.7,850.9 541.3,850.9 ; 541.3,1667.9 601.7,1667.9 541.3,1667.9 ; 541.3,2484.9 601.7,2484.9 541.3,2484.9 ; 543.1,-209.5 600.9,-209.5 543.1,-209.5 ; 543.1,607.5 600.9,607.5 543.1,607.5 ; 543.1,1424.5 600.9,1424.5 543.1,1424.5 ; 543.1,2241.5 600.9,2241.5 543.1,2241.5 ; 922.3,33.9 982.7,33.9 922.3,33.9 ; 922.3,850.9 982.7,850.9 922.3,850.9 ; 922.3,1667.9 982.7,1667.9 922.3,1667.9 ; 922.3,2484.9 982.7,2484.9 922.3,2484.9 ; 924.1,-209.5 981.9,-209.5 924.1,-209.5 ; 924.1,607.5 981.9,607.5 924.1,607.5 ; 924.1,1424.5 981.9,1424.5 924.1,1424.5 ; 924.1,2241.5 981.9,2241.5 924.1,2241.5 ; 1303.3,33.9 1363.7,33.9 1303.3,33.9 ; 1303.3,850.9 1363.7,850.9 1303.3,850.9 ; 1303.3,1667.9 1363.7,1667.9 1303.3,1667.9 ; 1303.3,2484.9 1363.7,2484.9 1303.3,2484.9 ; 1305.1,-209.5 1362.9,-209.5 1305.1,-209.5 ; 1305.1,607.5 1362.9,607.5 1305.1,607.5 ; 1305.1,1424.5 1362.9,1424.5 1305.1,1424.5 ; 1305.1,2241.5 1362.9,2241.5 1305.1,2241.5 ; 1684.3,33.9 1744.7,33.9 1684.3,33.9 ; 1684.3,850.9 1744.7,850.9 1684.3,850.9 ; 1684.3,1667.9 1744.7,1667.9 1684.3,1667.9 ; 1684.3,2484.9 1744.7,2484.9 1684.3,2484.9 ; 1686.1,-209.5 1743.9,-209.5 1686.1,-209.5 ; 1686.1,607.5 1743.9,607.5 1686.1,607.5 ; 1686.1,1424.5 1743.9,1424.5 1686.1,1424.5 ; 1686.1,2241.5 1743.9,2241.5 1686.1,2241.5 ; 2065.3,33.9 2125.7,33.9 2065.3,33.9 ; 2065.3,850.9 2125.7,850.9 2065.3,850.9 ; 2065.3,1667.9 2125.7,1667.9 2065.3,1667.9 ; 2065.3,2484.9 2125.7,2484.9 2065.3,2484.9 ; 2067.1,-209.5 2124.9,-209.5 2067.1,-209.5 ; 2067.1,607.5 2124.9,607.5 2067.1,607.5 ; 2067.1,1424.5 2124.9,1424.5 2067.1,1424.5 ; 2067.1,2241.5 2124.9,2241.5 2067.1,2241.5 ; 2446.3,33.9 2506.7,33.9 2446.3,33.9 ; 2446.3,850.9 2506.7,850.9 2446.3,850.9 ; 2446.3,1667.9 2506.7,1667.9 2446.3,1667.9 ; 2446.3,2484.9 2506.7,2484.9 2446.3,2484.9 ; 2448.1,-209.5 2505.9,-209.5 2448.1,-209.5 ; 2448.1,607.5 2505.9,607.5 2448.1,607.5 ; 2448.1,1424.5 2505.9,1424.5 2448.1,1424.5 ; 2448.1,2241.5 2505.9,2241.5 2448.1,2241.5

## Other copper
Top Layer:
  text "CQUOT" at -656,2131 h60 r270
  text "CQUOT" at -275,2131 h60 r270
  text "CQUOT" at 106,2131 h60 r270
  text "CQUOT" at 487,2131 h60 r270
  text "CQUOT" at 868,2131 h60 r270
  text "CQUOT" at 1249,2131 h60 r270
  text "CQUOT" at 1630,2131 h60 r270
  text "CQUOT" at 2011,2131 h60 r270
  text "CQUOT" at 2392,2131 h60 r270
  text "CQUOT" at 2773,2131 h60 r270
  text "CQUOT" at -656,1314 h60 r270
  text "CQUOT" at -275,1314 h60 r270
  text "CQUOT" at 106,1314 h60 r270
  text "CQUOT" at 487,1314 h60 r270
  text "CQUOT" at 868,1314 h60 r270
  text "CQUOT" at 1249,1314 h60 r270
  text "CQUOT" at 1630,1314 h60 r270
  text "CQUOT" at 2011,1314 h60 r270
  text "CQUOT" at 2392,1314 h60 r270
  text "CQUOT" at 2773,1314 h60 r270
  text "CQUOT" at -656,497 h60 r270
  text "CQUOT" at -275,497 h60 r270
  text "CQUOT" at 106,497 h60 r270
  text "CQUOT" at 487,497 h60 r270
  text "CQUOT" at 868,497 h60 r270
  text "CQUOT" at 1249,497 h60 r270
  text "CQUOT" at 1630,497 h60 r270
  text "CQUOT" at 2011,497 h60 r270
  text "CQUOT" at 2392,497 h60 r270
  text "CQUOT" at 2773,497 h60 r270
  text "CQUOT" at -656,-320 h60 r270
  text "CQUOT" at -275,-320 h60 r270
  text "CQUOT" at 106,-320 h60 r270
  text "CQUOT" at 487,-320 h60 r270
  text "CQUOT" at 868,-320 h60 r270
  text "CQUOT" at 1249,-320 h60 r270
  text "CQUOT" at 1630,-320 h60 r270
  text "CQUOT" at 2011,-320 h60 r270
  text "CQUOT" at 2392,-320 h60 r270
  text "CQUOT" at 2773,-320 h60 r270
Bottom Layer:
  text "2020.07" at -910,2222 h60 r270
  text "2020.07" at -529,2222 h60 r270
  text "2020.07" at -148,2222 h60 r270
  text "2020.07" at 233,2222 h60 r270
  text "2020.07" at 614,2222 h60 r270
  text "2020.07" at 995,2222 h60 r270
  text "2020.07" at 1376,2222 h60 r270
  text "2020.07" at 1757,2222 h60 r270
  text "2020.07" at 2138,2222 h60 r270
  text "2020.07" at 2519,2222 h60 r270
  text "帝江" at -679,2221 h80 r270
  text "帝江" at -298,2221 h80 r270
  text "帝江" at 83,2221 h80 r270
  text "帝江" at 464,2221 h80 r270
  text "帝江" at 845,2221 h80 r270
  text "帝江" at 1226,2221 h80 r270
  text "帝江" at 1607,2221 h80 r270
  text "帝江" at 1988,2221 h80 r270
  text "帝江" at 2369,2221 h80 r270
  text "帝江" at 2750,2221 h80 r270
  text "2020.07" at -910,1405 h60 r270
  text "帝江" at -679,1404 h80 r270
  text "2020.07" at -529,1405 h60 r270
  text "帝江" at -298,1404 h80 r270
  text "2020.07" at -148,1405 h60 r270
  text "帝江" at 83,1404 h80 r270
  text "2020.07" at 233,1405 h60 r270
  text "帝江" at 464,1404 h80 r270
  text "2020.07" at 614,1405 h60 r270
  text "帝江" at 845,1404 h80 r270
  text "2020.07" at 995,1405 h60 r270
  text "帝江" at 1226,1404 h80 r270
  text "2020.07" at 1376,1405 h60 r270
  text "帝江" at 1607,1404 h80 r270
  text "2020.07" at 1757,1405 h60 r270
  text "帝江" at 1988,1404 h80 r270
  text "2020.07" at 2138,1405 h60 r270
  text "帝江" at 2369,1404 h80 r270
  text "2020.07" at 2519,1405 h60 r270
  text "帝江" at 2750,1404 h80 r270
  text "2020.07" at -910,588 h60 r270
  text "2020.07" at -529,588 h60 r270
  text "2020.07" at -148,588 h60 r270
  text "2020.07" at 233,588 h60 r270
  text "2020.07" at 614,588 h60 r270
  text "2020.07" at 995,588 h60 r270
  text "2020.07" at 1376,588 h60 r270
  text "2020.07" at 1757,588 h60 r270
  text "2020.07" at 2138,588 h60 r270
  text "2020.07" at 2519,588 h60 r270
  text "帝江" at -679,587 h80 r270
  text "帝江" at -298,587 h80 r270
  text "帝江" at 83,587 h80 r270
  text "帝江" at 464,587 h80 r270
  text "帝江" at 845,587 h80 r270
  text "帝江" at 1226,587 h80 r270
  text "帝江" at 1607,587 h80 r270
  text "帝江" at 1988,587 h80 r270
  text "帝江" at 2369,587 h80 r270
  text "帝江" at 2750,587 h80 r270
  text "2020.07" at -910,-229 h60 r270
  text "帝江" at -679,-230 h80 r270
  text "2020.07" at -529,-229 h60 r270
  text "帝江" at -298,-230 h80 r270
  text "2020.07" at -148,-229 h60 r270
  text "帝江" at 83,-230 h80 r270
  text "2020.07" at 233,-229 h60 r270
  text "帝江" at 464,-230 h80 r270
  text "2020.07" at 614,-229 h60 r270
  text "帝江" at 845,-230 h80 r270
  text "2020.07" at 995,-229 h60 r270
  text "帝江" at 1226,-230 h80 r270
  text "2020.07" at 1376,-229 h60 r270
  text "帝江" at 1607,-230 h80 r270
  text "2020.07" at 1757,-229 h60 r270
  text "帝江" at 1988,-230 h80 r270
  text "2020.07" at 2138,-229 h60 r270
  text "帝江" at 2369,-230 h80 r270
  text "2020.07" at 2519,-229 h60 r270
  text "帝江" at 2750,-230 h80 r270

## Silkscreen, mask and mechanical layers (free items; w line width, h text height)
Top Paste:
  text "CQUOT" at -656,2131 h60 r270
  text "CQUOT" at -275,2131 h60 r270
  text "CQUOT" at 106,2131 h60 r270
  text "CQUOT" at 487,2131 h60 r270
  text "CQUOT" at 868,2131 h60 r270
  text "CQUOT" at 1249,2131 h60 r270
  text "CQUOT" at 1630,2131 h60 r270
  text "CQUOT" at 2011,2131 h60 r270
  text "CQUOT" at 2392,2131 h60 r270
  text "CQUOT" at 2773,2131 h60 r270
  text "CQUOT" at -656,1314 h60 r270
  text "CQUOT" at -275,1314 h60 r270
  text "CQUOT" at 106,1314 h60 r270
  text "CQUOT" at 487,1314 h60 r270
  text "CQUOT" at 868,1314 h60 r270
  text "CQUOT" at 1249,1314 h60 r270
  text "CQUOT" at 1630,1314 h60 r270
  text "CQUOT" at 2011,1314 h60 r270
  text "CQUOT" at 2392,1314 h60 r270
  text "CQUOT" at 2773,1314 h60 r270
  text "CQUOT" at -656,497 h60 r270
  text "CQUOT" at -275,497 h60 r270
  text "CQUOT" at 106,497 h60 r270
  text "CQUOT" at 487,497 h60 r270
  text "CQUOT" at 868,497 h60 r270
  text "CQUOT" at 1249,497 h60 r270
  text "CQUOT" at 1630,497 h60 r270
  text "CQUOT" at 2011,497 h60 r270
  text "CQUOT" at 2392,497 h60 r270
  text "CQUOT" at 2773,497 h60 r270
  text "CQUOT" at -656,-320 h60 r270
  text "CQUOT" at -275,-320 h60 r270
  text "CQUOT" at 106,-320 h60 r270
  text "CQUOT" at 487,-320 h60 r270
  text "CQUOT" at 868,-320 h60 r270
  text "CQUOT" at 1249,-320 h60 r270
  text "CQUOT" at 1630,-320 h60 r270
  text "CQUOT" at 2011,-320 h60 r270
  text "CQUOT" at 2392,-320 h60 r270
  text "CQUOT" at 2773,-320 h60 r270